# Altium PCB spd150.PcbDoc (part 10 of 15) (continued)
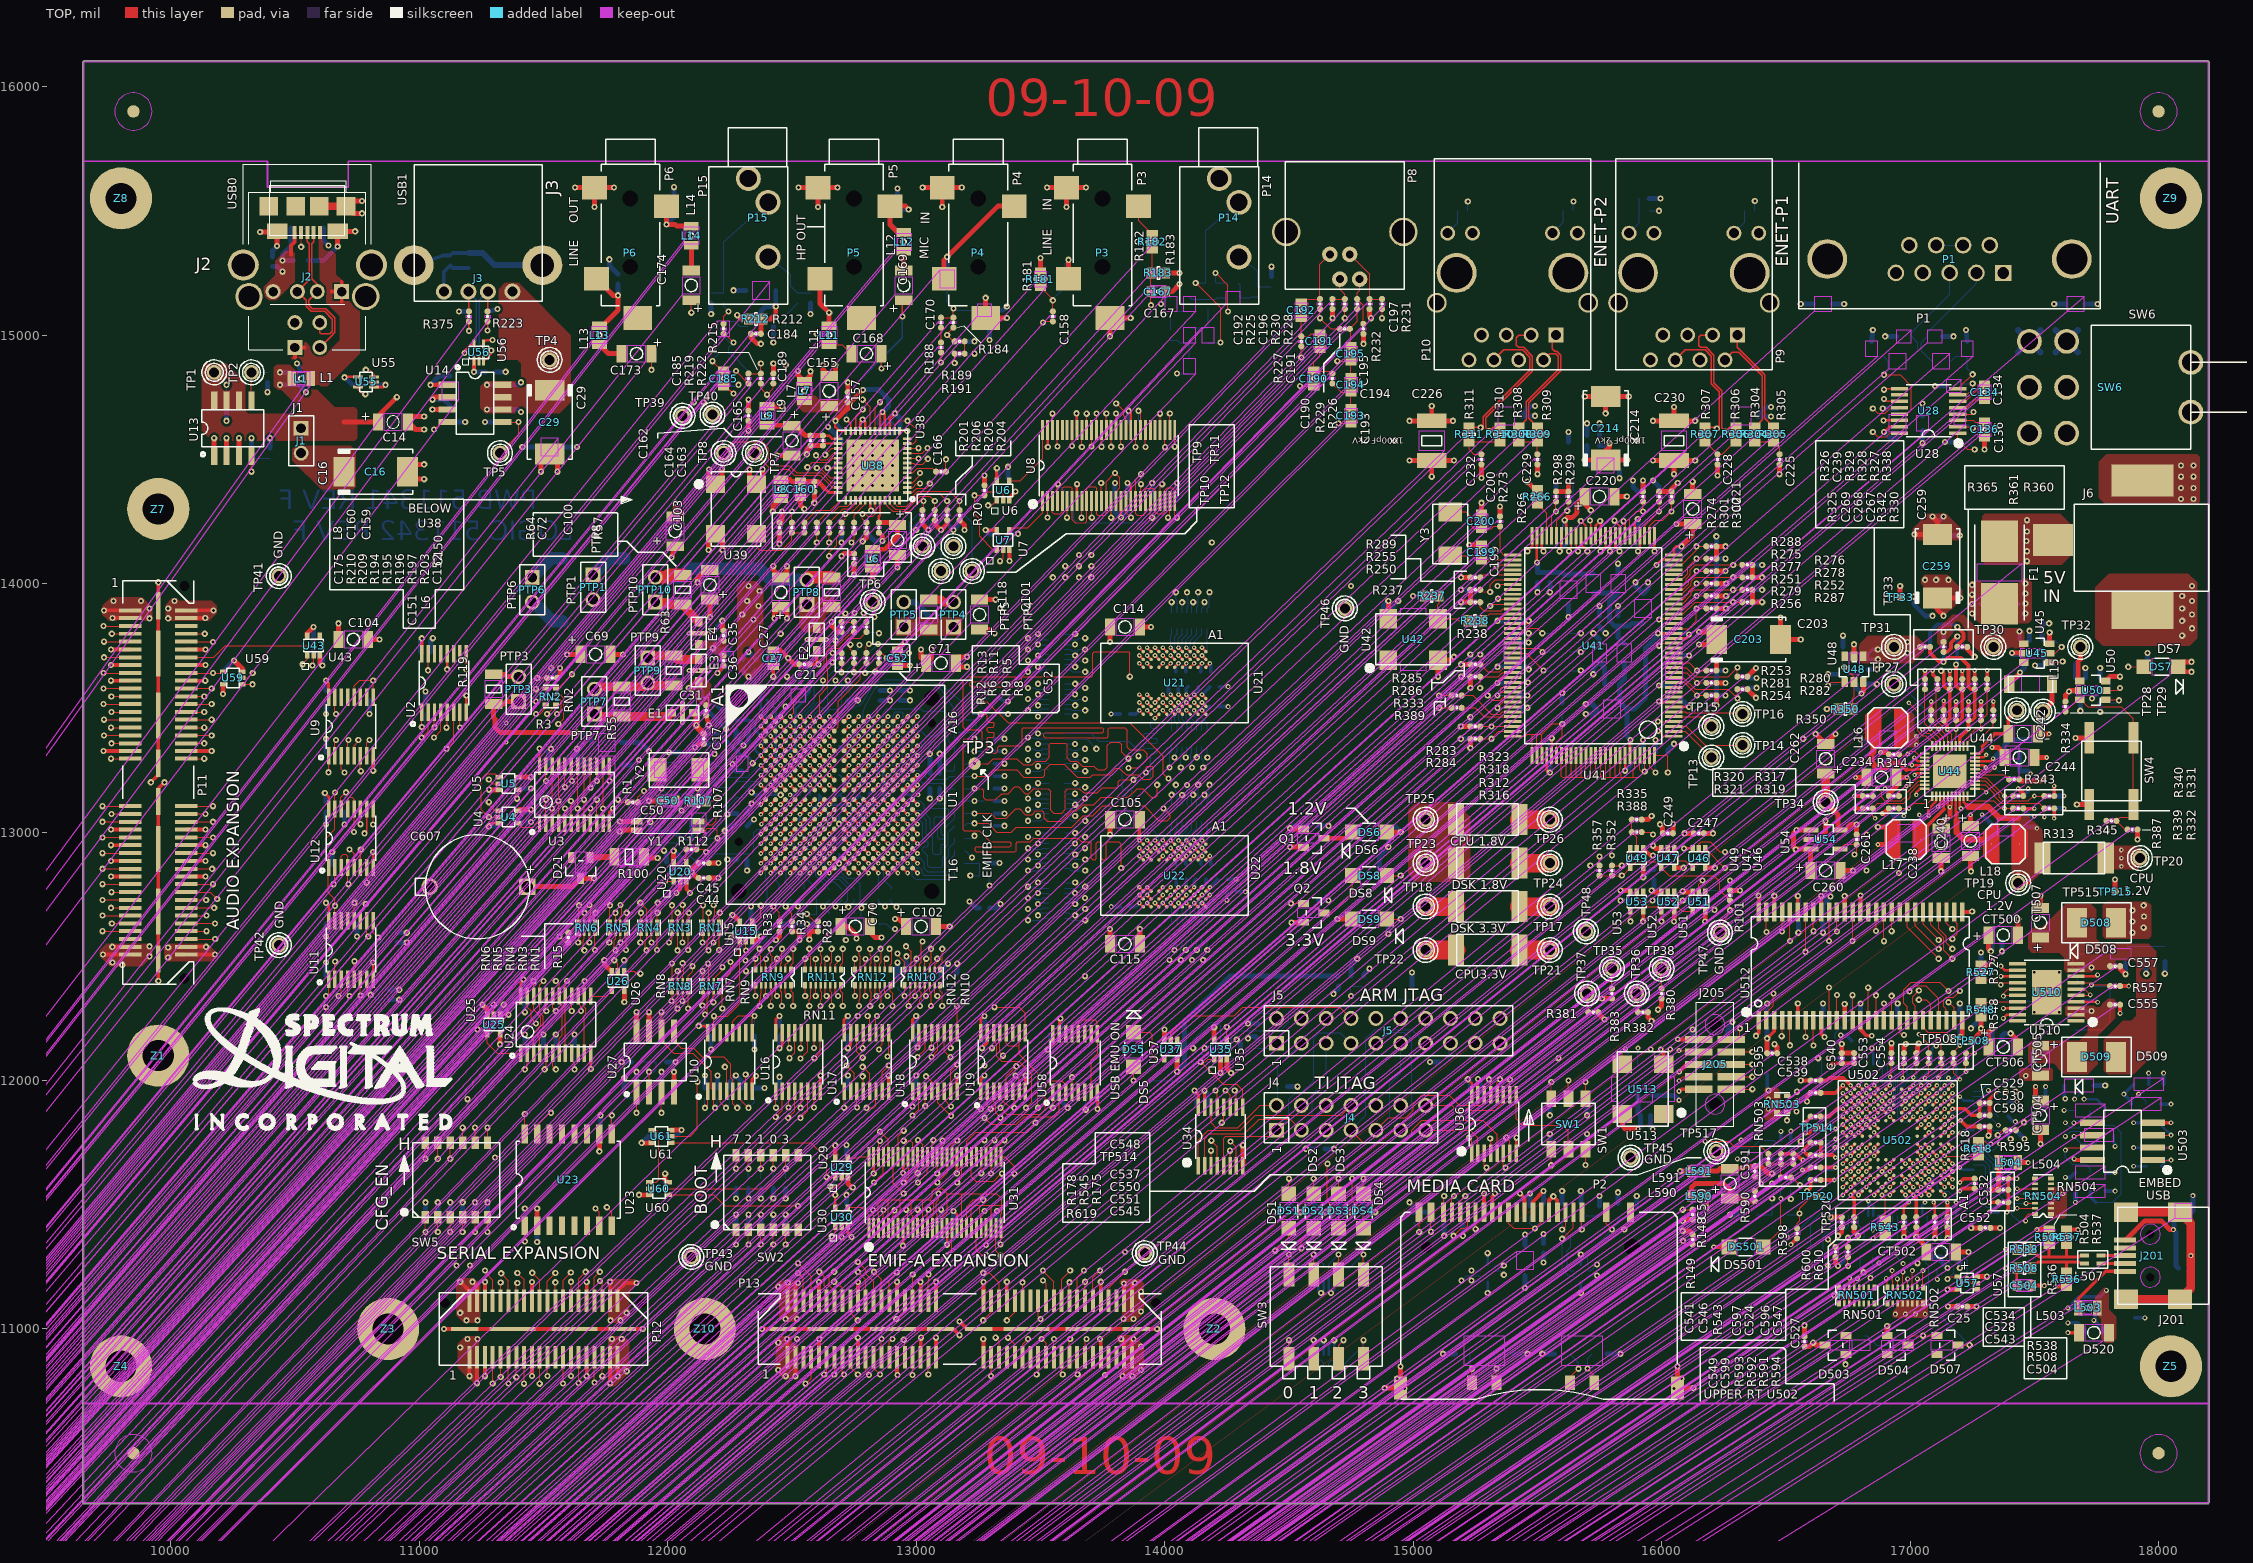
[diagram p0: TOP view]
## Nets (pads, with @x,y where several pads share a name; then routed paths per layer and width w, separated by ;. In a path a pad name is that pad's centre, name@x,y a point inside that pad or via, vN(x,y) a via of type N, cw(c..) or ccw(c..) an arc to the next point about the centre after c; other vN are vias at no path point) (continued)
N17314533: DS5.1 U37.4 | length 218.3
  TOP w5: DS5.1@13875,12194 13940,12194 13950,12184 13950,12100 13964,12086 U37.4@13999.4,12086
N17316930: C50.1 R107.2 | length 65
  TOP w5: C50.1@12030,13125 R107.2@12095,13125
N17328843: C46.2 C47.2 R104.2 R105.1 | length 214.5
  BOTTOM w20: R105.1@11970,13000 11995,13000 12000,13005 R104.2@12025,13005 12055,12975 C46.2@12095,12975 C47.2@12095,13050
N17328878: C48.2 C49.2 R108.2 R109.1 | length 261.2
  BOTTOM w5: C48.2@11970,13280 R109.1@12045,13280 C49.2@12120,13280 12180,13280 12195,13265 R108.2@12225,13265
N17367264: E1.3 PTP7.1 R55.1 | length 321.4
  TOP w35: PTP7.1@11705,13475 11715,13465 R55.1@11815,13465 12001,13465 E1.3@12016,13480
N17367683: E2.3 PTP8.1 R57.1
N17369049: E3.3 PTP9.1 R63.1 | length 215.8
  TOP w35: PTP9.1@11920,13700 11930,13710 R63.1@12025,13710 12041,13694 E3.3@12125,13694
N17369068: E4.3 PTP10.1 R64.1 | length 210.4
  TOP w35: PTP10.1@11950,13925 11995,13925 12005,13915 R64.1@12060,13915 E4.3@12125,13844
N17382218: R152.1 U58.7 U58.9 U58.12 | length 579.4
  TOP w5: U58.12@13652.8,12187.6 13652.8,12232.8 13665,12245 13720,12245 13729.6,12235.4 U58.9@13729.6,12187.6 13730,12187.2 13730,12110 13704,12084 U58.7@13704,11952.4 13704,11904 v1(13682.5,11882.5)
  BOTTOM w5: v1(13682.5,11882.5) 13682.5,11922.5 13690,11930 R152.1@13690,11955
N17406762: R209.1 R210.2 U39.3 | length 296.7
  TOP w5: U39.3@12357.5,14200 12357.5,14147.5 12370,14135 12460,14135 12500,14175 R210.2@12500,14205 R209.1@12550,14205
N17415034: C179.1 R215.2 R220.1 U40.5 | length 258.1
  TOP w5: R215.2@12225,15045 12225,15075 v1(12245,15095)
  BOTTOM w5: R220.1@12225,15130 12225,15115 v1(12245,15095) 12225,15075 C179.1@12225,15055 12270,15055 12290,15035 U40.5@12325,15035
N17426119: RN24.7 SW3.6 | length 151.2
  TOP w5: SW3.6@14700,11220 v1(14700,11300)
  BOTTOM w5: RN24.7@14659.8,11245.5 14659.8,11259.8 v1(14700,11300)
N17426120: RN24.6 SW3.7 | length 151.2
  TOP w5: SW3.7@14600,11220 v1(14600,11300)
  BOTTOM w5: v1(14600,11300) 14640.2,11259.8 RN24.6@14640.2,11245.5
N17426121: RN24.5 SW3.8 | length 220.2
  TOP w5: SW3.8@14500,11220 v1(14500,11300)
  BOTTOM w5: v1(14500,11300) 14554.5,11245.5 RN24.5@14617.6,11245.5
N17426122: RN24.8 SW3.5 | length 220.2
  TOP w5: SW3.5@14800,11220 v1(14800,11300)
  BOTTOM w5: RN24.8@14682.4,11245.5 14745.5,11245.5 v1(14800,11300)
N17431894: TP39.1 U38.27 | length 767.2
  TOP w5: TP39.1@12060,14675 v1(12105,14730) ; v1(12634,14518) 12659.9,14543.9 U38.27@12686,14543.9
  LYR8-SIG w5: v1(12105,14730) 12125,14750 12153.3,14750 12163.3,14740 12290,14740 12465,14565 12587,14565 v1(12634,14518)
N17447305: R53.2 TP2.1 U13.5 U59.2 | length 1466.2
  TOP w5: U59.2@10289,13620 10310,13620 v1(10330,13640) ; U13.5@10325,14735 TP2.1@10325,14850
  LYR4-SIG w5: TP2.1@10325,14850 10325,14655 10360,14620 10360,13670 v1(10330,13640)
  BOTTOM w5: TP2.1@10325,14850 R53.2@10390,14850
N17497469: C199.2 U41.66 Y3.2 | length 258.1
  TOP w5: Y3.2@15150,14112 15258,14112 C199.2@15275,14095 15275.2,14094.8 U41.66@15401,14094.8
N17497722: C200.2 R273.2 U41.65 Y3.1 | length 410.2
  TOP w5: Y3.1@15150,14288 15212,14288 15235,14265 15235,14230 15245,14220 C200.2@15275,14220 15315,14220 15325,14230 R273.2@15350,14230 15350,14130 15365.5,14114.5 U41.65@15401,14114.5
N17505012: R250.2 U41.76 | length 160.4
  TOP w5: R250.2@15270,13925 15270,13905 15285,13890 15355,13890 15362.8,13897.8 U41.76@15401,13897.8
N17532793: R110.2 SW1.1 | length 112.5
  TOP w5: v1(15556,11659) SW1.1@15556,11723
  BOTTOM w5: R110.2@15550,11705 15556,11699 v1(15556,11659)
N17532800: R113.1 SW1.3 | length 110.5
  TOP w5: v1(15694,11660) SW1.3@15694,11723
  BOTTOM w5: v1(15694,11660) 15694,11699 R113.1@15700,11705
N17532804: R114.1 SW1.6 | length 118.5
  TOP w5: SW1.6@15694,11927 v1(15694,11994)
  BOTTOM w5: v1(15694,11994) 15694,11951 R114.1@15700,11945
N17532808: R111.2 SW1.4 | length 118.5
  TOP w5: SW1.4@15556,11927 v1(15556,11994)
  BOTTOM w5: R111.2@15550,11945 15556,11951 v1(15556,11994)
N17550030: R386.2 SW5.6 | length 100
  TOP w5: v1(11275,11390) SW5.6@11275,11450
  BOTTOM w5: v1(11275,11390) R386.2@11275,11430
N17550083: R385.2 SW5.5 | length 100
  TOP w5: v1(11225,11390) SW5.5@11225,11450
  BOTTOM w5: v1(11225,11390) R385.2@11225,11430
N17562803: U7.4 U8.1 | length 210.5
  TOP w5: U7.4@13375.6,14214 13386.6,14225 13450,14225 13509.3,14284.3 U8.1@13509.3,14332
N17565606: U30.4 U31.1 | length 149.1
  TOP w5: U30.4@12725.6,11489 12781,11489 12809.3,11460.7 U31.1@12809.3,11407
N17583058: C174.1 U38.31 | length 971
  TOP w5: v1(12095,15090) C174.1@12095,15140 ; v1(12644,14465.2) U38.31@12686,14465.2
  LYR8-SIG w5: v1(12095,15090) 12370,14815 12393.1,14815 12660,14548.1 12660,14481.2 v1(12644,14465.2)
N17584899: R190.2 R191.2 U38.13 | length 457.9
  TOP w5: U38.13@12933.2,14614 v1(12964,14614) ; v1(13155,14888) R191.2@13155,14925
  LYR3-SIG w5: v1(12964,14614) 13155,14805 v1(13155,14888)
  BOTTOM w5: v1(13155,14888) R190.2@13155,14925
N17692583: U3.1 U4.4 | length 97.4
  TOP w5: U4.4@11399,13034.4 11413.4,13020 11458.3,13020 11473.3,13035 U3.1@11484.2,13035
N17718724: R201.2 R207.1 TP9.1 U38.45 | length 465.2
  TOP w5: U38.45@12874.2,14336 12874.2,14322.5 12883.9,14312.8 12883.9,14311.9 12905.8,14290 12975,14290 13017,14332 v1(13030,14332) 13030,14300 R201.2@13025,14295
  BOTTOM w5: TP9.1@13025,14150 12975,14200 12975,14245 R207.1@13025,14295 13025,14327 v1(13030,14332)
N17719164: R200.2 R206.1 TP10.1 U38.46 | length 601.2
  TOP w5: U38.46@12893.9,14336 12893.9,14321.1 12915,14300 12965,14300 13017,14352 13055,14352 v1(13075,14332) R206.1@13075,14295
  BOTTOM w5: v1(13075,14332) R200.2@13075,14295 13050,14270 13050,14250 13030,14230 13030,14205 13100,14135 TP10.1@13100,14050
N17733232: R44.1 U9.9 U9.12 | length 245.4
  TOP w5: U9.12@10737.8,13542.6 10737.8,13587.8 10760,13610 v1(10815,13610) 10815,13543 U9.9@10814.6,13542.6
  BOTTOM w5: R44.1@10800,13570 10800,13595 v1(10815,13610)
N17811482: R48.1 U11.12 | length 122.5
  TOP w5: U11.12@10737.8,12642.6 10737.8,12712.8 v1(10740,12715)
  BOTTOM w5: v1(10740,12715) 10750,12705 R48.1@10750,12670
N17834487: R241.2 U41.81 | length 185.9
  TOP w5: U41.81@15401,13799.3 15434.3,13799.3 15455,13820 15500,13820 v1(15520,13800)
  BOTTOM w5: v1(15520,13800) R241.2@15570,13800
N17873143: R335.2 R388.2 U49.2 | length 124.3
  TOP w5: R335.2@15880,13050 R388.2@15880,13000 15900,12980 U49.2@15900,12934
N17901026: R333.2 U41.97 | length 240.8
  TOP w5: R333.2@15195,13550 15240,13550 15315,13475 15350,13475 15359,13484 U41.97@15401,13484
N17901100: R389.2 U41.98 | length 220.8
  TOP w5: R389.2@15195,13500 15250,13500 15285.7,13464.3 U41.98@15401,13464.3
N17925688: C189.2 R222.2 U40.2 | length 176.1
  TOP w5: R222.2@12375,14805 12375,14785 v1(12400,14760) 12425,14785 C189.2@12425,14805
  BOTTOM w5: v1(12400,14760) 12425,14785 U40.2@12425,14815
N18075879: TP6.1 U1.F7 | length 828.6
  TOP w10: v2(12611.3,13268.2) U1.F7@12631,13248.5
  LYR4-SIG w4: 12555,13475 12555,13415 12565,13405 12580,13405 12589.5,13395.5 12589.5,13290 v2(12611.3,13268.2)
  LYR4-SIG w5: 12555,13475 12650,13570 12650,13635 12705,13690 12705,13768 12825,13888 TP6.1@12825,13925
N18075961: C56.1 C272.1 L24.1 U1.D1 | length 722.6
  TOP w10: v2(12374.9,13347) U1.D1@12394.6,13327.3
  LYR3-SIG w10: 12280,13375 12330,13375 12358,13347 v2(12374.9,13347)
  LYR3-SIG w20: v1(11925,13325) 11965,13285 12100,13285 12165,13350 12255,13350 12280,13375
  BOTTOM w10: C272.1@12394,13328 v2(12374.9,13347) C56.1@12394,13367.4
  BOTTOM w20: L24.1@11815,13360 11890,13360 v1(11925,13325)
N18076044: C56.2 C272.2 L25.1 U1.E1 | length 696.8
  TOP w10: v2(12374.9,13307.6) U1.E1@12394.6,13287.9
  LYR3-SIG w15: 12225,13290 12242.6,13307.6 v2(12374.9,13307.6)
  LYR3-SIG w20: v1(11885,13290) 11915,13260 12195,13260 12225,13290
  BOTTOM w10: C56.2@12354,13367.4 C272.2@12354,13328 v2(12374.9,13307.6)
  BOTTOM w20: L25.1@11815,13270 11865,13270 v1(11885,13290)
N18088544: R124.2 SW2.8 U60.2 | length 677.1
  TOP w5: U60.2@11926,11565 12395,11565 v1(12475,11645) SW2.8@12475,11700
  BOTTOM w5: R124.2@12475,11605 v1(12475,11645)
N18088684: R126.1 SW2.5 | length 100
  TOP w5: v1(12475,11340) SW2.5@12475,11400
  BOTTOM w5: v1(12475,11340) R126.1@12475,11380
N18093495: U60.1 U61.4 | length 265.9
  TOP w5: U60.1@11926,11590.6 11955,11590.6 11965,11600.6 11965,11790 11954.4,11800.6 U61.4@11936,11800.6
N18100807: R347.2 R348.2 U45.5 | length 139.1
  TOP w5: U45.5@17562,13720 17585,13720 v1(17610,13745)
  BOTTOM w5: R348.2@17580,13720 17585,13720 v1(17610,13745) 17585,13770 R347.2@17580,13770
N18100837: C248.1 U45.4 | length 94
  TOP w5: U45.4@17562,13682.6 17610.6,13682.6 v1(17614,13686)
  BOTTOM w5: C248.1@17580,13670 17598,13670 v1(17614,13686)
N18105968: R350.2 R351.2 U48.5 | length 230.4
  TOP w5: v1(16735,13663) 16774.6,13623.4 U48.5@16774.6,13603.6 16774.6,13544.6 16770,13540 R350.2@16770,13495
  BOTTOM w5: R351.2@16730,13705 16730,13668 v1(16735,13663)
N18105990: C252.1 U48.4 | length 114.9
  TOP w5: v1(16670,13590) 16683.6,13603.6 U48.4@16737.2,13603.6
  BOTTOM w5: v1(16670,13590) 16675,13595 C252.1@16710,13595
N18106307: R355.2 R356.2 U50.5 | length 156.3
  TOP w5: U50.5@17787,13570 17835,13570 v1(17845,13580)
  BOTTOM w5: R355.2@17805,13620 R356.2@17805,13570 17835,13570 v1(17845,13580)
N18106329: C254.1 U50.4 | length 95.2
  TOP w5: U50.4@17787,13532.6 17838.4,13532.6 v1(17841,13530)
  BOTTOM w5: C254.1@17805,13520 17831,13520 v1(17841,13530)
N18111689: C187.1 P15.5 R220.2 | length 494.4
  BOTTOM w5: C187.1@12175,15170 R220.2@12225,15170 12225,15375 P15.5@12404,15534
N18111717: C176.2 C177.1 R213.1 | length 144.1
  BOTTOM w5: R213.1@14025,14980 14050,14980 14060,14970 C177.1@14100,14970 C176.2@14100,14905
N18111721: C180.2 C181.1 R213.2 | length 150
  BOTTOM w5: R213.2@14025,15020 C180.2@14025,15095 C181.1@14100,15095
N18111741: C181.2 C182.1 R214.2 | length 151.2
  BOTTOM w5: C181.2@14100,15155 14110,15145 R214.2@14175,15145 14205,15145 14210,15150 C182.1@14245,15150
N18111745: C177.2 C178.1 R214.1 | length 150
  BOTTOM w5: C177.2@14100,15030 C178.1@14175,15030 R214.1@14175,15105
N18111807: C182.2 R216.1 R217.2 | length 136.2
  BOTTOM w5: R217.2@14295,15210 14305,15200 C182.2@14305,15150 14345,15150 14350,15155 R216.1@14375,15155
N18122681: DS9.2 R374.2 | length 114.3
  TOP w5: DS9.2@14894,12650 v1(14950,12650)
  BOTTOM w5: R374.2@14900,12670 14930,12670 v1(14950,12650)
N18122715: Q1.1 R369.2 | length 133
  TOP w20: v1(14505,13015) 14507,13013 Q1.1@14558,13013
  BOTTOM w20: v1(14505,13015) 14515,13025 R369.2@14580,13025
N18122719: DS6.2 R367.1 | length 114.3
  TOP w20: DS6.2@14894,13000 v1(14950,13000)
  BOTTOM w20: R367.1@14900,13020 14930,13020 v1(14950,13000)
N18122793: Q2.1 R371.2 | length 127
  TOP w5: v1(14508,12713) Q2.1@14558,12713
  BOTTOM w5: v1(14508,12713) 14568,12713 R371.2@14580,12725
N18122797: DS8.2 R370.1 | length 114.3
  TOP w5: DS8.2@14894,12825 v1(14950,12825)
  BOTTOM w5: R370.1@14900,12845 14930,12845 v1(14950,12825)
N18122896: L14.2 P6.3 R193.1 | length 248.8
  TOP w20: P6.3@11995,15518.5 v1(11995,15445) 12030,15445 12037,15438 L14.2@12095,15438
  BOTTOM w20: v1(11995,15445) 12025,15475 R193.1@12025,15505
N18142725: RN8.1 U1.N5 | length 868.1
  TOP w5: RN8.1@12082.4,12400.5 12082.4,12422.4 12100,12440 v1(12100,12460)
  TOP w10: v2(12532.5,12953) U1.N5@12552.2,12972.7
  LYR3-SIG w4: 12489,12815 12500,12815 12509,12824 12509,12929.5 v2(12532.5,12953)
  LYR3-SIG w5: v1(12100,12460) 12100,12480 12110,12490 12110,12570 12155,12615 12237,12615 12248,12626 12328,12626 12395,12693 12395,12721 12489,12815
N18142726: RN8.2 U1.P5 | length 899.6
  TOP w5: RN8.2@12059.8,12400.5 12059.8,12424.8 12065,12430 12065,12466.3 12060.4,12470.9 v1(12060.4,12471.9)
  TOP w10: v2(12532.5,12913.6) U1.P5@12552.2,12933.3
  LYR8-SIG w4: 12505,12815 12515,12825 12515,12896.1 v2(12532.5,12913.6)
  LYR8-SIG w5: v1(12060.4,12471.9) 12073.6,12471.9 12081.7,12480 12110,12480 12120,12490 12215.9,12490 12240,12514.1 12240,12555 12230,12565 12230,12590 12305,12665 12425,12665 12450,12690 12450,12760 12505,12815
N18142727: RN8.3 U1.R4 | length 833.3
  TOP w5: RN8.3@12040.2,12400.5 v1(12040.2,12440.8)
  TOP w10: v2(12493.1,12874.2) U1.R4@12512.8,12893.9
  LYR8-SIG w4: 12460,12815 12475,12830 12475,12856.1 v2(12493.1,12874.2)
  LYR8-SIG w5: v1(12040.2,12440.8) 12040.2,12439.8 12040,12440 12040,12485 12047,12492 12101,12492 12109,12500 12210.7,12500 12228,12517.3 12228,12550 12220,12558 12220,12595 12305,12680 12380.3,12680 12395,12694.7 12395,12750 12460,12815
N18142728: RN8.4 U1.T6 | length 961.4
  TOP w5: RN8.4@12017.6,12400.5 v1(12017.6,12471)
  TOP w10: v2(12571.9,12834.8) U1.T6@12591.6,12854.5
  LYR8-SIG w4: 12560,12815 12571.9,12826.9 v2(12571.9,12834.8)
  LYR8-SIG w5: v1(12017.6,12471) 12017.6,12435.1 12032.7,12420 12235,12420 12273,12458 12273,12537.7 12365.3,12630 12449.2,12630 12505,12685.8 12505,12760 12560,12815
N18190322: U24.1 U25.4 | length 187
  TOP w5: U25.4@11274.4,12186 11274.4,12150.6 11315,12110 U24.1@11409.2,12110
N18196957: C16.1 J1.2
N18205235: R394.2 U1.H4 | length 414.7
  TOP w10: v2(12493.1,13189.4) U1.H4@12512.8,13169.7
  LYR8-SIG w4: 12475,13485 12475,13298 12485,13288 12499,13288 12513,13274 12513,13209.3 v2(12493.1,13189.4)
  LYR8-SIG w5: 12475,13485 v1(12475,13505)
  BOTTOM w5: R394.2@12445,13530 v1(12475,13505)
N18206584: R395.2 U1.F3 | length 311.9
  TOP w10: v2(12453.7,13268.2) U1.F3@12473.4,13248.5
  BOTTOM w10: R395.2@12400,13530 12434,13496 12434,13287.9 v2(12453.7,13268.2)
N18208607: R209.2 U38.37 | length 204.5
  TOP w5: R209.2@12550,14245 12600,14295 12655,14295 12696,14336 U38.37@12716.8,14336
N18255289: R352.2 R354.2 R357.2 R358.2 U47.2 U49.4 | length 421.3
  TOP w5: R357.2@15750,12825 R352.2@15800,12825 v1(15840,12825) 15843.4,12825 U49.4@15874.4,12856 15898.4,12880 15990,12880 16025,12915 U47.2@16025,12934
  BOTTOM w5: R358.2@15750,12825 R354.2@15800,12825 v1(15840,12825)
N18269179: U46.4 U47.1 | length 126
  TOP w5: U47.1@16050.6,12934 16050.6,12900 16065.6,12885 16095.4,12885 U46.4@16124.4,12856
N18478171: C275.1 R396.2 | length 45
  BOTTOM w5: R396.2@11950,12840 C275.1@11995,12840
N18495556: R45.1 U10.9 U10.12 | length 252.7
  TOP w5: U10.12@12262.8,12192.6 12262.8,12237.8 12285,12260 12349.6,12260 v1(12350,12259.6) 12339.6,12249.2 U10.9@12339.6,12192.6
  BOTTOM w5: R45.1@12350,12220 v1(12350,12259.6)
N18809233: R82.1 U1.M13 | length 488.2
  TOP w10: U1.M13@12867.4,13012.1 v2(12887.1,12992.4)
  BOTTOM w4: v2(12887.1,12992.4) 12906,12973.5 12906,12907 12919,12894 12933,12894 12947,12880 12947,12866 12957,12856 12974,12856 12984,12846 12984,12824 12993,12815
  BOTTOM w5: 12993,12815 12998,12810 13141,12810 13155,12824 R82.1@13155,12875
N18847671: RN12.9 U1.M16 | length 871
  TOP w5: v1(12893,12530) 12901.6,12521.4 12901.6,12471.4 12896.6,12466.4 RN12.9@12896.6,12447
  TOP w10: U1.M16@12985.6,13012.1 v2(13005.3,12992.4)
  LYR8-SIG w4: v2(13005.3,12992.4) 13025,12972.7
  LYR8-SIG w5: v1(12893,12530) 12901,12522 12901,12464 12911,12454 12999,12454 13021,12476 13021,12519 13005,12535 13005,12782.6 13040,12817.6 13040,12957.7 13025,12972.7
N18847673: RN12.10 U1.N14 | length 866.3
  TOP w5: RN12.10@12874,12447 12874,12483 v1(12881,12490)
  TOP w10: U1.N14@12906.8,12972.7 v2(12926.5,12953)
  LYR8-SIG w4: 12855,12815 12870,12830 12870,12920 12880,12930 12903.5,12930 v2(12926.5,12953)
  LYR8-SIG w5: 12855,12815 12755,12715 12755,12640 12680,12565 12680,12525 12755,12450 12841,12450 v1(12881,12490)
N18847675: RN12.11 U1.N16 | length 717.8
  TOP w5: RN12.11@12854.4,12447 12854.4,12470 12860,12475.6 12860,12525 12855,12530 v1(12856,12530)
  TOP w10: U1.N16@12985.6,12972.7 v2(13005.3,12953)
  LYR8-SIG w4: v2(13005.3,12953) 13025,12933.3 13025,12822.6
  LYR8-SIG w5: v1(12856,12530) 12876,12550 12915,12550 12945,12520 12975,12520 12990,12535 12990,12787.6 13025,12822.6
N18847677: RN12.12 U1.P14 | length 679.9
  TOP w5: RN12.12@12834.8,12447 12834.8,12452.4 12835,12452.6 12835,12485 v1(12840,12490)
  TOP w10: U1.P14@12906.8,12933.3 v2(12926.5,12913.6)
  LYR8-SIG w4: 12895,12815 12905,12825 12905,12892.1 v2(12926.5,12913.6)
  LYR8-SIG w5: v1(12840,12490) 12815,12465 12790,12465 12775,12480 12775,12496.7 12740,12531.7 12740,12600 12800,12660 12800,12720 12895,12815
N18847679: RN12.13 U1.P16 | length 591.8
  TOP w5: RN12.13@12815.2,12447 12815.2,12470 12820,12474.8 12820,12500 12815.2,12504.8 v1(12815.2,12529.8)
  TOP w10: U1.P16@12985.6,12933.3 v2(13005.3,12913.6)
  LYR8-SIG w4: 12952.5,12815 12952.5,12826.2 12950.4,12828.3 12950.4,12880.7 12964.7,12895 12986.7,12895 v2(13005.3,12913.6)
  LYR8-SIG w5: v1(12815.2,12529.8) 12815.2,12580.2 12895,12660 12895,12750 12952.5,12807.5 12952.5,12815
N18847681: RN12.14 U1.R14 | length 526.8
  TOP w5: RN12.14@12795.6,12447 v1(12795.6,12489.4)
  TOP w10: U1.R14@12906.8,12893.9 v2(12926.5,12874.2)
  LYR8-SIG w4: v2(12926.5,12874.2) 12942,12858.7 12942,12815.5
  LYR8-SIG w5: v1(12795.6,12489.4) 12790,12495 12790,12615 12850,12675 12850,12720 12942,12812 12942,12815.5
N18847683: RN12.15 U1.T14 | length 483
  TOP w5: v1(12770,12530) 12770,12503.3 12775.6,12497.7 12775.6,12447.4 RN12.15@12776,12447
  TOP w10: U1.T14@12906.8,12854.5 v2(12926.5,12834.8)
  LYR8-SIG w4: 12926.5,12815 v2(12926.5,12834.8)
  LYR8-SIG w5: v1(12770,12530) 12780,12540 12780,12620 12840,12680 12840,12728.5 12926.5,12815
N18847685: RN12.16 U1.N12 | length 599.2
  TOP w5: RN12.16@12753.4,12447 v1(12753.4,12490)
  TOP w10: U1.N12@12828,12972.7 v2(12847.7,12953)
  LYR3-SIG w4: v2(12847.7,12953) 12871.6,12929.1 12871.6,12815
  LYR3-SIG w5: v1(12753.4,12490) 12753.4,12518.3 12750,12521.7 12750,12538.3 12763.7,12552 12770,12552 12780,12562 12780,12590 12850,12660 12850,12720 12871.6,12741.6 12871.6,12815
N18849304: RN10.9 U1.M15 | length 678.4
  TOP w5: RN10.9@13096.6,12447 13096.6,12466.4 13105,12474.8 v1(13105,12530)
  TOP w10: U1.M15@12946.2,13012.1 v2(12965.9,12992.4)
  LYR3-SIG w4: v2(12965.9,12992.4) 12967.6,12992.4 12990,12970 13025,12970
  LYR3-SIG w5: 13025,12970 13035,12970 13065,12940 13065,12845 13125.1,12784.9 13125.1,12735.1 13105,12715 v1(13105,12530)
N18849306: RN10.10 U1.N13 | length 665.8
  TOP w5: RN10.10@13074,12447 13074,12465 13085,12476 v1(13085,12490)
  TOP w10: U1.N13@12867.4,12972.7 v2(12887.1,12953)
  LYR3-SIG w4: v2(12887.1,12953) 12887.1,12952.9 12905,12935 12940,12935 12945,12930 12945,12910 12960,12895 12970,12895 12985,12880 12985,12815
  LYR3-SIG w5: 12985,12815 12975,12805 12975,12581.7 13046.7,12510 13065,12510 v1(13085,12490)
N18849308: RN10.11 U1.N15 | length 643.2
  TOP w5: RN10.11@13054.4,12447 13054.4,12470 13061,12476.6 13061,12529 v1(13060,12530)
  TOP w10: U1.N15@12946.2,12972.7 v2(12965.9,12953)
  LYR3-SIG w4: v2(12965.9,12953) 12967,12953 12985,12935 13025,12935
  LYR3-SIG w5: 13025,12935 13035,12935 13045,12925 13045,12825 13000,12780 13000,12640 13060,12580 v1(13060,12530)
N18849310: RN10.12 U1.P13 | length 576
  TOP w5: RN10.12@13034.8,12447 13034.8,12452.4 13035,12452.6 13035,12485 13040,12490 v1(13041,12490)
  TOP w10: U1.P13@12867.4,12933.3 v2(12887.1,12913.6)
  LYR3-SIG w4: v2(12887.1,12913.6) 12887.1,12912.9 12905,12895 12930,12895 12945,12880 12945,12830 12960,12815
  LYR3-SIG w5: 12960,12815 12960,12582.5 13041,12501.5 v1(13041,12490)
N18849312: RN10.13 U1.P15 | length 576.9
  TOP w5: RN10.13@13015.2,12447 13015.2,12470 13021,12475.8 13021,12556 v1(13025,12560)
  TOP w10: U1.P15@12946.2,12933.3 v2(12965.9,12913.6)
  LYR3-SIG w4: v2(12965.9,12913.6) 12966.4,12913.6 12985,12895 13020,12895 13025,12890
  LYR3-SIG w5: v1(13025,12560) 13025,12590 12990,12625 12990,12790 13030,12830 13030,12885 13025,12890
N18849314: RN10.14 U1.R13 | length 505.1
  TOP w5: RN10.14@12995.6,12447 12995.6,12485.6 13000,12490 v1(13001,12490)
  TOP w10: U1.R13@12867.4,12893.9 v2(12887.1,12874.2)
  LYR3-SIG w4: v2(12887.1,12874.2) 12910,12851.3 12910,12829 12924,12815
  LYR3-SIG w5: 12924,12815 12945,12794 12945,12583 13001,12527 v1(13001,12490)
N18849316: RN10.15 U1.R15 | length 484.9
  TOP w5: v1(12959,12540) 12981,12518 12981,12452 RN10.15@12976,12447
  TOP w10: U1.R15@12946.2,12893.9 v2(12965.9,12874.2)
  LYR8-SIG w4: v2(12965.9,12874.2) 12965.9,12874.1 12985,12855 12985,12815
  LYR8-SIG w5: v1(12959,12540) 12959,12784 12985,12810 12985,12815
N18849318: RN10.16 U1.T13 | length 443.1
  TOP w5: v1(12925,12511) 12925,12505 12953.4,12476.6 RN10.16@12953.4,12447
  TOP w10: U1.T13@12867.4,12854.5 v2(12887.1,12834.8)
  LYR3-SIG w4: 12887.1,12815 v2(12887.1,12834.8)
  LYR3-SIG w5: 12887.1,12815 12887.1,12720 12895,12712.1 12895,12556.3 12925,12526.3 v1(12925,12511)
N18895421: P3.2 R180.1 | length 129.9
  TOP w20: P3.2@13613,15226.5 v1(13613,15303)
  BOTTOM w5: R180.1@13600,15255 13600,15290 v1(13613,15303)
N18908881: R292.1 U41.102 U41.103 U41.104 U41.105 U41.108 | length 656.8
  TOP w5: U41.102@15401,13385.5 15451.5,13385.5 15459.1,13393.1 15478,13393.1 ; U41.103@15478.7,13308 15478.7,13392.4 15478,13393.1 ; U41.104@15498.4,13308 15498.4,13392.5 15499,13393.1 ; U41.105@15518.1,13308 15518.1,13393.1 ; U41.108@15577.2,13308 15577.2,13362.2 15600,13385 v1(15600,13435) 15560,13435 15518.1,13393.1 ; 15478,13393.1 15499,13393.1 ; 15499,13393.1 15518.1,13393.1
  BOTTOM w5: v1(15600,13435) R292.1@15600,13480
N18910209: R293.1 U41.109 U41.110 U41.111 U41.112 U41.113 U41.114 U41.115 U41.116 U41.117 U41.118 U41.119 U41.120 U41.121 U41.124 U41.125 U41.126 | length 1767.8
  TOP w5: U41.109@15596.9,13308 15596.9,13225 15601.9,13220 15617,13220 ; U41.110@15616.6,13308 15616.6,13220.4 15617,13220 ; U41.111@15636.3,13308 15636.3,13220.3 15636,13220 ; U41.112@15656,13308 15656,13220 ; U41.113@15675.7,13308 15675.7,13221.7 15674,13220 ; U41.114@15695.4,13308 15695.4,13220.6 15696,13220 ; U41.115@15715.1,13308 15715.1,13220.9 15716,13220 ; U41.116@15734.9,13308 15734.9,13220.1 15735,13220 ; U41.117@15754.6,13308 15754.6,13220.6 15754,13220 ; U41.118@15774.3,13308 15774.3,13221.3 15773,13220 ; U41.119@15794,13308 15794,13221 15793,13220 ; U41.120@15813.7,13308 15813.7,13220.7 15813,13220 ; U41.121@15833.4,13308 15833.4,13256.4 15832,13255 15832,13235 15837,13230 15837,13220 ; U41.124@15892.5,13308 15892.5,13255.5 15885,13248 15885,13220 ; U41.125@15912.2,13308 15912.2,13250 15919.1,13243.1 v1(15931.9,13243.1) ; U41.126@15931.9,13308 v1(15931.9,13243.1) ; 15617,13220 15636,13220 ; 15636,13220 15656,13220 ; 15656,13220 15674,13220 ; 15674,13220 15696,13220 ; 15696,13220 15716,13220 ; 15716,13220 15735,13220 ; 15735,13220 15754,13220 ; 15754,13220 15773,13220 ; 15773,13220 15793,13220 ; 15793,13220 15813,13220 ; 15813,13220 15837,13220 ; 15837,13220 15885,13220 ; 15885,13220 15908.8,13220 v1(15931.9,13243.1)
  BOTTOM w5: R293.1@15925,13280 15925,13250 v1(15931.9,13243.1)
N18912394: R303.1 U41.128 | length 158.8
  TOP w5: U41.128@15971.3,13308 16020,13308 16025,13303 v1(16025,13240)
  BOTTOM w5: v1(16025,13240) R303.1@16025,13280
N18912398: R302.1 U41.127 | length 117.7
  TOP w5: U41.127@15951.6,13308 15951.6,13263.4 v1(15975,13240)
  BOTTOM w5: v1(15975,13240) R302.1@15975,13280
N18913440: R295.2 R299.1 U41.59 | length 414.6
  TOP w5: U41.59@15577.2,14192 15577.2,14252.2 15618,14293 v1(15620,14293) 15625,14298 R299.1@15625,14330
  BOTTOM w5: v1(15620,14293) 15645,14318 15645,14455 15625,14475 R295.2@15625,14530
N18913444: R294.2 R298.1 U41.60 | length 185.2
  TOP w5: U41.60@15557.5,14192 15557.5,14272.5 v1(15575,14290) R298.1@15575,14330
  BOTTOM w5: v1(15575,14290) R294.2@15575,14330
N18918089: R291.1 U41.92 U41.93 | length 172.7
  TOP w5: v1(15340,13550) 15352.8,13562.8 ; U41.93@15401,13562.8 15352.8,13562.8 ; U41.92@15401,13582.5 15356.5,13582.5 15352,13578 15352,13563.6 15352.8,13562.8
  BOTTOM w5: v1(15340,13550) R291.1@15380,13550
N18920477: R289.2 U41.68 U41.69 | length 205.8
  TOP w5: R289.2@15270,14025 15280.7,14035.7 15346,14035.7 ; U41.69@15401,14035.7 15346,14035.7 ; U41.68@15401,14055.4 15353.4,14055.4 15346,14048 15346,14035.7
N18923793: R267.2 R283.1 U41.100 | length 176.1
  TOP w5: R283.1@15270,13425 15270.1,13424.9 v1(15315,13424.9) U41.100@15401,13424.9
  BOTTOM w5: R267.2@15270,13425 15314.9,13425 v1(15315,13424.9)
N18923795: R268.2 R284.1 U41.101 | length 188.5
  TOP w5: R284.1@15270,13375 v1(15315,13375) 15345.2,13405.2 U41.101@15401,13405.2
  BOTTOM w5: R268.2@15270,13375 v1(15315,13375)
N18925872: R269.2 R285.1 U41.88 | length 230.2
  TOP w5: v1(15270,13715) R285.1@15270,13675 15300,13645 15348.3,13645 15364.6,13661.3 U41.88@15401,13661.3
  BOTTOM w5: R269.2@15270,13675 v1(15270,13715)
N18925946: R270.2 R286.1 U41.89 | length 227.9
  TOP w5: v1(15270,13580) R286.1@15270,13625 15342.5,13625 15359.1,13641.6 U41.89@15401,13641.6
  BOTTOM w5: v1(15270,13580) R270.2@15270,13625
N18927809: R271.2 R287.1 U41.26 | length 332.4
  TOP w5: U41.26@16049,13878.1 16088.1,13878.1 16135,13925 v1(16288,13925) R287.1@16325,13925
  BOTTOM w5: v1(16288,13925) R271.2@16325,13925
N18927948: R272.2 R288.1 U41.36 | length 210.8
  TOP w5: U41.36@16049,14075.1 16080.1,14075.1 16140,14135 v1(16140,14150) R288.1@16180,14150
  BOTTOM w5: v1(16140,14150) R272.2@16180,14150
N18933124: R266.2 U41.61 | length 143.7
  TOP w5: R266.2@15500,14320 15537.8,14282.2 U41.61@15537.8,14192
N18937244: R257.2 R274.1 U41.44 | length 214.3
  TOP w5: U41.44@15872.8,14192 15872.8,14262.8 15900,14290 v1(15925,14290) R274.1@15925,14330
  BOTTOM w5: v1(15925,14290) R257.2@15925,14330
N18940982: R296.2 R300.1 U41.40 | length 232.2
  TOP w5: U41.40@15951.6,14192 15951.6,14231.6 15975,14255 16005,14255 v1(16040,14290) R300.1@16040,14330
  BOTTOM w5: v1(16040,14290) R296.2@16040,14330
N18941608: R297.2 R301.1 U41.41 | length 202.1
  TOP w5: U41.41@15931.9,14192 15931.9,14231.9 v1(15990,14290) R301.1@15990,14330
  BOTTOM w5: v1(15990,14290) R297.2@15990,14330
N18954320: R39.2 U1.P4 | length 195
  TOP w10: v2(12493.1,12913.6) U1.P4@12512.8,12933.3
  BOTTOM w4: v2(12493.1,12913.6) 12515,12891.7 12515,12825
  BOTTOM w5: 12515,12825 12550,12790 R39.2@12550,12770
N18975929: R248.2 R255.1 U41.70 | length 216.2
  TOP w5: R255.1@15270,13975 15279,13966 v1(15310,13966) 15310,13995 15331,14016 U41.70@15401,14016
  BOTTOM w5: R248.2@15270,13975 15279,13966 v1(15310,13966)
N18975931: R249.2 R256.1 U41.23 | length 233.8
  TOP w5: U41.23@16049,13819 16109,13819 16140,13850 v1(16140,13900) R256.1@16180,13900
  BOTTOM w5: v1(16140,13900) R249.2@16180,13900
N18989316: C228.1 R306.1 R307.1 | length 166.4
  TOP w5: R307.1@16175,14570 C228.1@16225,14520 16245,14520 16295,14570 R306.1@16300,14570
N18989337: C225.1 R304.2 R305.2 | length 135.4
  TOP w5: R304.2@16375,14570 R305.2@16450,14570 16475,14545 C225.1@16475,14520
N18990172: C232.1 R310.1 R311.1 | length 213.3
  TOP w5: C232.1@15275,14520 15245,14520 15225,14540 R311.1@15225,14570 R310.1@15350,14570
N18990191: C229.1 R308.2 R309.2 | length 125
  TOP w5: R308.2@15425,14570 R309.2@15500,14570 C229.1@15500,14520
N19012580: L10.1 P4.2 P4.3 | length 499.8
  TOP w20: P4.2@13113,15226.5 13113,15303 v1(13125,15315) 13328.5,15518.5 P4.3@13395,15518.5
  BOTTOM w20: L10.1@13125,15263 v1(13125,15315)
N19013700: P3.3 R182.1 | length 136.3
  TOP w5: P3.3@13895,15518.5 13895,15460 R182.1@13950,15405
N19013812: R240.2 U41.4 | length 2502.6
  TOP w5: v1(15985.4,13444.6) U41.4@16049,13444.6
  LYR8-SIG w5: v1(15645,15537) 15597,15537 15505,15445 15505,15165 15842.5,14827.5 15842.5,14462.5 15860,14445 15860,14395 15884,14371 15884,14231 15925,14190 15925,13890 16015,13800 16015,13474.2 v1(15985.4,13444.6)
  BOTTOM w5: R240.2@15645,15500 v1(15645,15537)
N19013827: TP15.1 U41.5 | length 167.3
  TOP w5: U41.5@16049,13464.3 16160.7,13464.3 TP15.1@16200,13425
N19013829: R239.2 U41.20 | length 2206
  TOP w5: v1(15990,13750) 15999.9,13759.9 U41.20@16049,13759.9
  LYR8-SIG w5: v1(15220,15537) 15315,15442 15315,15330 15810,14835 15810,14325 15874,14261 15874,13901 15965,13810 15965,13775 v1(15990,13750)
  BOTTOM w5: R239.2@15220,15500 v1(15220,15537)
N19013843: R235.2 U41.1 | length 2530.3
  TOP w5: v1(15985,13407) 16006.5,13385.5 U41.1@16049,13385.5
  LYR8-SIG w5: v1(15985,13407) 16035,13457 16035,14235 16010,14260 16010,14500 15915,14595 15915,15030 16110,15225 16110,15315 16335,15540 v1(16375,15540)
  BOTTOM w5: R235.2@16375,15500 v1(16375,15540)

## Text inside footprints (layer, text, board x,y; h text height)
JP509: PIN_NUMBER "2" at 17994,11730 h40 r180; PIN_NUMBER "1" at 17934,11730 h40 r180; SYMB_DIM "PAD 35X45OV" at 18165,11655 h40 r180; SYMB_DIM "SM  43X53OV" at 18165,11715 h40 r180; SYMB_DIM "SP  35X45OV" at 18165,11785 h40 r180; SYMB_DIM "R603-35X45" at 17770,11540 h40 r180; SYMB_DIM "0" at 17960,11870 h40 r180; SYMB_DIM "0" at 17835,11750 h40 r180; ASSEMBLY_BOTTOM "JUMPER 2" at 17955,11745 h40 r180; ASSEMBLY_BOTTOM "X" at 17985,11745 h40 r180; ASSEMBLY_BOTTOM "X" at 18020,11745 h40 r180
JP510: PIN_NUMBER "2" at 17994,11830 h40 r180; PIN_NUMBER "1" at 17934,11830 h40 r180; SYMB_DIM "PAD 35X45OV" at 18165,11755 h40 r180; SYMB_DIM "SM  43X53OV" at 18165,11815 h40 r180; SYMB_DIM "SP  35X45OV" at 18165,11885 h40 r180; SYMB_DIM "R603-35X45" at 17770,11640 h40 r180; SYMB_DIM "0" at 17960,11970 h40 r180; SYMB_DIM "0" at 17835,11850 h40 r180; ASSEMBLY_BOTTOM "JUMPER 2" at 17955,11845 h40 r180; ASSEMBLY_BOTTOM "X" at 17985,11845 h40 r180; ASSEMBLY_BOTTOM "X" at 18020,11845 h40 r180
L1: PIN_NUMBER "2" at 10471,14825 h40 r180; PIN_NUMBER "1" at 10547,14825 h40 r180; ASSEMBLY_TOP "X" at 10480,14850 h40 r180; ASSEMBLY_TOP "X" at 10515,14850 h40 r180; ASSEMBLY_TOP "BLM21PG221SN1" at 10550,14850 h40 r180; SYMB_DIM "0" at 10720,14845 h40 r180; SYMB_DIM "0" at 10545,14990 h40 r180; SYMB_DIM "L805-35X60" at 10725,14605 h40 r180; SYMB_DIM "PAD 35X60OV" at 10725,15090 h40 r180
L2: PIN_NUMBER "1" at 16596,15125 h40 r180; PIN_NUMBER "2" at 16672,15125 h40 r180; SYMB_DIM "0" at 16455,15145 h40 r180; SYMB_DIM "0" at 16630,15290 h40 r180; SYMB_DIM "L805-35X60" at 16450,14905 h40 r180; SYMB_DIM "PAD 35X60OV" at 16450,15390 h40 r180; ASSEMBLY_BOTTOM "X" at 16695,15150 h40 r180; ASSEMBLY_BOTTOM "X" at 16660,15150 h40 r180; ASSEMBLY_BOTTOM "BLM21PG221SN1D" at 16625,15150 h40 r180
L3: PIN_NUMBER "1" at 16896,14895 h40 r180; PIN_NUMBER "2" at 16972,14895 h40 r180; SYMB_DIM "0" at 16755,14915 h40 r180; SYMB_DIM "0" at 16930,15060 h40 r180; SYMB_DIM "L805-35X60" at 16750,14675 h40 r180; SYMB_DIM "PAD 35X60OV" at 16750,15160 h40 r180; ASSEMBLY_BOTTOM "X" at 16995,14920 h40 r180; ASSEMBLY_BOTTOM "X" at 16960,14920 h40 r180; ASSEMBLY_BOTTOM "1uH" at 16925,14920 h40 r180
L4: PIN_NUMBER "1" at 17147,14895 h40; PIN_NUMBER "2" at 17071,14895 h40; SYMB_DIM "0" at 17320,14875 h40; SYMB_DIM "0" at 17145,14730 h40; SYMB_DIM "L805-35X60" at 17325,15115 h40; SYMB_DIM "PAD 35X60OV" at 17325,14630 h40; ASSEMBLY_BOTTOM "X" at 17080,14870 h40; ASSEMBLY_BOTTOM "X" at 17115,14870 h40; ASSEMBLY_BOTTOM "1uH" at 17150,14870 h40
L5: PIN_NUMBER "1" at 17687,15125 h40; PIN_NUMBER "2" at 17611,15125 h40; SYMB_DIM "0" at 17860,15105 h40; SYMB_DIM "0" at 17685,14960 h40; SYMB_DIM "L805-35X60" at 17865,15345 h40; SYMB_DIM "PAD 35X60OV" at 17865,14860 h40; ASSEMBLY_BOTTOM "X" at 17620,15100 h40; ASSEMBLY_BOTTOM "X" at 17655,15100 h40; ASSEMBLY_BOTTOM "BLM21PG221SN1D" at 17690,15100 h40
L6: PIN_NUMBER "2" at 12809,14138 h40 r90; PIN_NUMBER "1" at 12809,14062 h40 r90; ASSEMBLY_TOP "X" at 12850,14145 h40 r90; ASSEMBLY_TOP "X" at 12850,14110 h40 r90; ASSEMBLY_TOP "BLM21PG221SN1D" at 12850,14075 h40 r90; SYMB_DIM "0" at 12845,13905 h40 r90; SYMB_DIM "0" at 12990,14080 h40 r90; SYMB_DIM "L805-35X60" at 12605,13900 h40 r90; SYMB_DIM "PAD 35X60OV" at 13090,13900 h40 r90
L7: PIN_NUMBER "1" at 12534,14737 h40 r90; PIN_NUMBER "2" at 12534,14813 h40 r90; ASSEMBLY_TOP "X" at 12575,14820 h40 r90; ASSEMBLY_TOP "X" at 12575,14785 h40 r90; ASSEMBLY_TOP "BLM21PG221SN1D" at 12575,14750 h40 r90; SYMB_DIM "0" at 12570,14580 h40 r90; SYMB_DIM "0" at 12715,14755 h40 r90; SYMB_DIM "L805-35X60" at 12330,14575 h40 r90; SYMB_DIM "PAD 35X60OV" at 12815,14575 h40 r90
L8: PIN_NUMBER "2" at 12439,14342 h40 r270; PIN_NUMBER "1" at 12439,14418 h40 r270; ASSEMBLY_TOP "X" at 12430,14335 h40 r270; ASSEMBLY_TOP "X" at 12430,14370 h40 r270; ASSEMBLY_TOP "BLM21PG221SN1D" at 12430,14405 h40 r270; SYMB_DIM "0" at 12435,14575 h40 r270; SYMB_DIM "0" at 12290,14400 h40 r270; SYMB_DIM "L805-35X60" at 12675,14580 h40 r270; SYMB_DIM "PAD 35X60OV" at 12190,14580 h40 r270
L9: PIN_NUMBER "1" at 12384,14637 h40 r90; PIN_NUMBER "2" at 12384,14713 h40 r90; ASSEMBLY_TOP "X" at 12425,14720 h40 r90; ASSEMBLY_TOP "X" at 12425,14685 h40 r90; ASSEMBLY_TOP "BLM21PG221SN1D" at 12425,14650 h40 r90; SYMB_DIM "0" at 12420,14480 h40 r90; SYMB_DIM "0" at 12565,14655 h40 r90; SYMB_DIM "L805-35X60" at 12180,14475 h40 r90; SYMB_DIM "PAD 35X60OV" at 12665,14475 h40 r90
L10: PIN_NUMBER "1" at 13109,15263 h40 r90; PIN_NUMBER "2" at 13109,15187 h40 r90; SYMB_DIM "0" at 13145,15420 h40 r90; SYMB_DIM "0" at 13290,15245 h40 r90; SYMB_DIM "L805-35X60" at 12905,15425 h40 r90; SYMB_DIM "PAD 35X60OV" at 13390,15425 h40 r90; ASSEMBLY_BOTTOM "X" at 13150,15180 h40 r90; ASSEMBLY_BOTTOM "X" at 13150,15215 h40 r90; ASSEMBLY_BOTTOM "BLM21PG221SN1D" at 13150,15250 h40 r90
L11: PIN_NUMBER "2" at 12634,15038 h40 r90; PIN_NUMBER "1" at 12634,14962 h40 r90; ASSEMBLY_TOP "X" at 12675,15045 h40 r90; ASSEMBLY_TOP "X" at 12675,15010 h40 r90; ASSEMBLY_TOP "BLM21PG221SN1D" at 12675,14975 h40 r90; SYMB_DIM "0" at 12670,14805 h40 r90; SYMB_DIM "0" at 12815,14980 h40 r90; SYMB_DIM "L805-35X60" at 12430,14800 h40 r90; SYMB_DIM "PAD 35X60OV" at 12915,14800 h40 r90
L12: PIN_NUMBER "2" at 12934,15413 h40 r90; PIN_NUMBER "1" at 12934,15337 h40 r90; ASSEMBLY_TOP "X" at 12975,15420 h40 r90; ASSEMBLY_TOP "X" at 12975,15385 h40 r90; ASSEMBLY_TOP "BLM21PG221SN1D" at 12975,15350 h40 r90; SYMB_DIM "0" at 12970,15180 h40 r90; SYMB_DIM "0" at 13115,15355 h40 r90; SYMB_DIM "L805-35X60" at 12730,15175 h40 r90; SYMB_DIM "PAD 35X60OV" at 13215,15175 h40 r90
L13: PIN_NUMBER "2" at 11709,15038 h40 r90; PIN_NUMBER "1" at 11709,14962 h40 r90; ASSEMBLY_TOP "X" at 11750,15045 h40 r90; ASSEMBLY_TOP "X" at 11750,15010 h40 r90; ASSEMBLY_TOP "BLM21PG221SN1D" at 11750,14975 h40 r90; SYMB_DIM "0" at 11745,14805 h40 r90; SYMB_DIM "0" at 11890,14980 h40 r90; SYMB_DIM "L805-35X60" at 11505,14800 h40 r90; SYMB_DIM "PAD 35X60OV" at 11990,14800 h40 r90
L14: PIN_NUMBER "2" at 12079,15438 h40 r90; PIN_NUMBER "1" at 12079,15362 h40 r90; ASSEMBLY_TOP "X" at 12120,15445 h40 r90; ASSEMBLY_TOP "X" at 12120,15410 h40 r90; ASSEMBLY_TOP "BLM21PG221SN1D" at 12120,15375 h40 r90; SYMB_DIM "0" at 12115,15205 h40 r90; SYMB_DIM "0" at 12260,15380 h40 r90; SYMB_DIM "L805-35X60" at 11875,15200 h40 r90; SYMB_DIM "PAD 35X60OV" at 12360,15200 h40 r90
L15: PIN_NUMBER "2" at 17555,13595 h40; PIN_NUMBER "1" at 17383,13595 h40; ASSEMBLY_TOP "X" at 17525,13580 h40; ASSEMBLY_TOP "X" at 17485,13580 h40; ASSEMBLY_TOP "BLM41P750SPT" at 17450,13580 h40; SYMB_DIM "0" at 17310,13570 h40; SYMB_DIM "0" at 17460,13445 h40; SYMB_DIM "C1206-40X70" at 17409,13800 h40; SYMB_DIM "SP  40X70OV" at 17419,13220 h40; SYMB_DIM "SM  48X78" at 17401,13295 h40; SYMB_DIM "PAD 40X70OV" at 17419,13370 h40
L16: PIN_NUMBER "1" at 16838.5,13420 h35 r90; PIN_NUMBER "2" at 16953.5,13420 h35 r270; ASSEMBLY_TOP "2.2uH" at 16790,13350 h40; ASSEMBLY_TOP "X" at 16835,13350 h40; ASSEMBLY_TOP "X" at 16885,13350 h40
L17: PIN_NUMBER "2" at 17028.5,12970 h35 r270; PIN_NUMBER "1" at 16913.5,12970 h35 r90; ASSEMBLY_TOP "2.2uH" at 16865,12900 h40; ASSEMBLY_TOP "X" at 16910,12900 h40; ASSEMBLY_TOP "X" at 16960,12900 h40
L18: PIN_NUMBER "1" at 17427.5,12952 h35 r270; PIN_NUMBER "2" at 17312.5,12952 h35 r90; ASSEMBLY_TOP "2.2uH" at 17504,13022 h40 r180; ASSEMBLY_TOP "X" at 17459,13022 h40 r180; ASSEMBLY_TOP "X" at 17409,13022 h40 r180
L19: PIN_NUMBER "2" at 15734,13682 h40 r90; PIN_NUMBER "1" at 15734,13758 h40 r90; SYMB_DIM "0" at 15770,13915 h40 r90; SYMB_DIM "0" at 15915,13740 h40 r90; SYMB_DIM "L805-35X60" at 15530,13920 h40 r90; SYMB_DIM "PAD 35X60OV" at 16015,13920 h40 r90; ASSEMBLY_BOTTOM "X" at 15775,13675 h40 r90; ASSEMBLY_BOTTOM "X" at 15775,13710 h40 r90; ASSEMBLY_BOTTOM "BLM21PG221SN1D" at 15775,13745 h40 r90
L20: PIN_NUMBER "1" at 15834,13758 h40 r90; PIN_NUMBER "2" at 15834,13682 h40 r90; SYMB_DIM "0" at 15870,13915 h40 r90; SYMB_DIM "0" at 16015,13740 h40 r90; SYMB_DIM "L805-35X60" at 15630,13920 h40 r90; SYMB_DIM "PAD 35X60OV" at 16115,13920 h40 r90; ASSEMBLY_BOTTOM "X" at 15875,13675 h40 r90; ASSEMBLY_BOTTOM "X" at 15875,13710 h40 r90; ASSEMBLY_BOTTOM "BLM21PG221SN1D" at 15875,13745 h40 r90
L21: PIN_NUMBER "2" at 15721,14475 h40; PIN_NUMBER "1" at 15797,14475 h40; SYMB_DIM "0" at 15970,14455 h40; SYMB_DIM "0" at 15795,14310 h40; SYMB_DIM "L805-35X60" at 15975,14695 h40; SYMB_DIM "PAD 35X60OV" at 15975,14210 h40; ASSEMBLY_BOTTOM "X" at 15730,14450 h40; ASSEMBLY_BOTTOM "X" at 15765,14450 h40; ASSEMBLY_BOTTOM "BLM21PG221SN1D" at 15800,14450 h40
L22: PIN_NUMBER "2" at 15709,14038 h40 r270; PIN_NUMBER "1" at 15709,13962 h40 r270; SYMB_DIM "0" at 15705,13805 h40 r270; SYMB_DIM "0" at 15560,13980 h40 r270; SYMB_DIM "L805-35X60" at 15945,13800 h40 r270; SYMB_DIM "PAD 35X60OV" at 15460,13800 h40 r270; ASSEMBLY_BOTTOM "X" at 15700,14045 h40 r270; ASSEMBLY_BOTTOM "X" at 15700,14010 h40 r270; ASSEMBLY_BOTTOM "BLM21PG221SN1D" at 15700,13975 h40 r270
L23: PIN_NUMBER "1" at 15809,13962 h40 r270; PIN_NUMBER "2" at 15809,14038 h40 r270; SYMB_DIM "0" at 15805,13805 h40 r270; SYMB_DIM "0" at 15660,13980 h40 r270; SYMB_DIM "L805-35X60" at 16045,13800 h40 r270; SYMB_DIM "PAD 35X60OV" at 15560,13800 h40 r270; ASSEMBLY_BOTTOM "X" at 15800,14045 h40 r270; ASSEMBLY_BOTTOM "X" at 15800,14010 h40 r270; ASSEMBLY_BOTTOM "BLM21PG221SN1D" at 15800,13975 h40 r270
L24: PIN_NUMBER "2" at 11679,13340 h40; PIN_NUMBER "1" at 11799,13340 h40; ASSEMBLY_BOTTOM "X" at 11730,13345 h40; ASSEMBLY_BOTTOM "X" at 11760,13340 h40; ASSEMBLY_BOTTOM "BLMG1P500SPT" at 11800,13340 h40
L25: PIN_NUMBER "2" at 11679,13250 h40; PIN_NUMBER "1" at 11799,13250 h40; ASSEMBLY_BOTTOM "X" at 11730,13255 h40; ASSEMBLY_BOTTOM "X" at 11760,13250 h40; ASSEMBLY_BOTTOM "BLMG1P500SPT" at 11800,13250 h40
L503: PIN_NUMBER "1" at 17661,11085 h40; PIN_NUMBER "2" at 17737,11085 h40; ASSEMBLY_TOP "X" at 17760,11060 h40; ASSEMBLY_TOP "X" at 17725,11060 h40; ASSEMBLY_TOP "BLM21P221SN" at 17690,11060 h40; SYMB_DIM "0" at 17520,11065 h40; SYMB_DIM "0" at 17695,10920 h40; SYMB_DIM "L805-35X60" at 17515,11305 h40; SYMB_DIM "PAD 35X60OV" at 17515,10820 h40
L504: PIN_NUMBER "2" at 17341,11670 h40 r180; PIN_NUMBER "1" at 17417,11670 h40 r180; ASSEMBLY_TOP "X" at 17350,11695 h40 r180; ASSEMBLY_TOP "X" at 17385,11695 h40 r180; ASSEMBLY_TOP "BLM21P221SN" at 17420,11695 h40 r180; SYMB_DIM "0" at 17590,11690 h40 r180; SYMB_DIM "0" at 17415,11835 h40 r180; SYMB_DIM "L805-35X60" at 17595,11450 h40 r180; SYMB_DIM "PAD 35X60OV" at 17595,11935 h40 r180
L505: PIN_NUMBER "2" at 18122,11475 h40 r180; PIN_NUMBER "1" at 18046,11475 h40 r180; SYMB_DIM "0" at 17905,11495 h40 r180; SYMB_DIM "0" at 18080,11640 h40 r180; SYMB_DIM "L805-35X60" at 17900,11255 h40 r180; SYMB_DIM "PAD 35X60OV" at 17900,11740 h40 r180; ASSEMBLY_BOTTOM "X" at 18145,11500 h40 r180; ASSEMBLY_BOTTOM "X" at 18110,11500 h40 r180; ASSEMBLY_BOTTOM "BLM21P221SN" at 18075,11500 h40 r180
L507: PIN_NUMBER "4" at 17686,11264 h40; PIN_NUMBER "3" at 17752,11264 h40; PIN_NUMBER "2" at 17752,11296 h40; PIN_NUMBER "1" at 17686,11296 h40; ASSEMBLY_TOP "PART#" at 17615,11165 h40; ASSEMBLY_TOP "DLW21SN900SQ2" at 17605,11165 h40; ASSEMBLY_TOP "TOL" at 17695,11160 h40; SYMB_DIM "BLM11" at 17615,11370 h40
L590: PIN_NUMBER "1" at 16109,11525 h20; PIN_NUMBER "2" at 16169,11525 h20; ASSEMBLY_TOP "X" at 16200,11525 h40; ASSEMBLY_TOP "X" at 16165,11520 h40; ASSEMBLY_TOP "30 OHM" at 16130,11520 h40
L591: PIN_NUMBER "1" at 16109,11625 h20; PIN_NUMBER "2" at 16169,11625 h20; ASSEMBLY_TOP "X" at 16200,11625 h40; ASSEMBLY_TOP "X" at 16165,11620 h40; ASSEMBLY_TOP "30 OHM" at 16130,11620 h40
L592: PIN_NUMBER "1" at 15894,11950 h20 r180; PIN_NUMBER "2" at 15954,11950 h20 r180; ASSEMBLY_BOTTOM "X" at 15985,11950 h40 r180; ASSEMBLY_BOTTOM "X" at 15950,11955 h40 r180; ASSEMBLY_BOTTOM "FERRITE CHIP" at 15915,11955 h40 r180
P1: PIN_NUMBER "1" at 17345,15250 h75; PIN_NUMBER "4" at 17021,15250 h75; PIN_NUMBER "6" at 17291,15362 h75; PIN_NUMBER "9" at 16967,15362 h75; PIN_NUMBER "5" at 16913,15250 h75; PIN_NUMBER "7" at 17183,15362 h75; PIN_NUMBER "8" at 17075,15362 h75; PIN_NUMBER "3" at 17129,15250 h75; PIN_NUMBER "2" at 17237,15250 h75; PIN_NUMBER "10" at 16607,15306 h75; PIN_NUMBER "11" at 17591,15306 h75
P2: PIN_NUMBER "25" at 15338.1,11470 h15 r90; PIN_NUMBER "26" at 15405,11470 h15 r90; PIN_NUMBER "3" at 15574.4,11470 h15 r90; PIN_NUMBER "21" at 15535,11470 h15 r90; PIN_NUMBER "18" at 15306.6,11470 h15 r90; PIN_NUMBER "6" at 15279.1,11470 h15 r90; PIN_NUMBER "28" at 14937.5,10762.7 h15; PIN_NUMBER "27" at 16051.7,10762.7 h15; PIN_NUMBER "5" at 15377.6,11470 h15 r90; PIN_NUMBER "20" at 15503.5,11470 h15 r90; PIN_NUMBER "2" at 15672.8,11470 h15 r90; PIN_NUMBER "17" at 15239.7,11470 h15 r90; PIN_NUMBER "13" at 15224.9,10783.7 h15; PIN_NUMBER "12" at 15323.3,10783.7 h15; PIN_NUMBER "11" at 15618.6,10783.7 h15; PIN_NUMBER "10" at 15717,10783.7 h15; PIN_NUMBER "8" at 15116.7,11470 h15 r90; PIN_NUMBER "23" at 15633.4,11470 h15 r90; PIN_NUMBER "22" at 15601.9,11470 h15 r90; PIN_NUMBER "7" at 15183.7,11470 h15 r90; PIN_NUMBER "4" at 15476,11470 h15 r90; PIN_NUMBER "19" at 15436.5,11470 h15 r90; PIN_NUMBER "15" at 15059.6,11470 h15 r90; PIN_NUMBER "14" at 15012.3,11470 h15 r90; PIN_NUMBER "1" at 15771.3,11470 h15 r90; PIN_NUMBER "16" at 15208.4,11470 h15 r90; PIN_NUMBER "9" at 15869.7,11470 h15 r90; PIN_NUMBER "24" at 15144.2,11470 h15 r90
P3: PIN_NUMBER "5" at 13736,15549.5 h35; PIN_NUMBER "6" at 13736,15274.5 h35; PIN_NUMBER "1" at 13591,15593.5 h35; PIN_NUMBER "4" at 13766,15068.5 h35; PIN_NUMBER "2" at 13599,15226.5 h35; PIN_NUMBER "3" at 13881,15518.5 h35
P4: PIN_NUMBER "5" at 13236,15549.5 h35; PIN_NUMBER "6" at 13236,15274.5 h35; PIN_NUMBER "1" at 13091,15593.5 h35; PIN_NUMBER "4" at 13266,15068.5 h35; PIN_NUMBER "2" at 13099,15226.5 h35; PIN_NUMBER "3" at 13381,15518.5 h35
P5: PIN_NUMBER "5" at 12736,15549.5 h35; PIN_NUMBER "6" at 12736,15274.5 h35; PIN_NUMBER "4" at 12766,15068.5 h35; PIN_NUMBER "1" at 12591,15593.5 h35; PIN_NUMBER "2" at 12599,15226.5 h35; PIN_NUMBER "3" at 12881,15518.5 h35
P6: PIN_NUMBER "5" at 11836,15549.5 h35; PIN_NUMBER "6" at 11836,15274.5 h35; PIN_NUMBER "4" at 11866,15068.5 h35; PIN_NUMBER "1" at 11691,15593.5 h35; PIN_NUMBER "3" at 11981,15518.5 h35; PIN_NUMBER "2" at 11699,15226.5 h35
P8: PIN_NUMBER "5" at 14945,15400 h40 r180; PIN_NUMBER "6" at 14473,15380 h40 r180; PIN_NUMBER "4" at 14649,15290 h40 r180; PIN_NUMBER "3" at 14689,15210 h40 r180; PIN_NUMBER "2" at 14729,15290 h40 r180; PIN_NUMBER "1" at 14769,15210 h40 r180
P9: PIN_NUMBER "MH1" at 16307,15235 h40 r180; PIN_NUMBER "MH2" at 15857,15215 h40 r180; PIN_NUMBER "7" at 15989,14985 h40 r180; PIN_NUMBER "8" at 15939,14865 h40 r180; PIN_NUMBER "SH2" at 15777,15115 h40 r180; PIN_NUMBER "SH1" at 16387,15095 h40 r180; PIN_NUMBER "5" at 16089,14985 h40 r180; PIN_NUMBER "4" at 16139,14865 h40 r180; PIN_NUMBER "3" at 16189,14985 h40 r180; PIN_NUMBER "10" at 16259,15410 h40 r180; PIN_NUMBER "2" at 16239,14865 h40 r180; PIN_NUMBER "1" at 16289,14985 h40 r180; PIN_NUMBER "6" at 16039,14865 h40 r180; PIN_NUMBER "12" at 15837,15410 h40 r180; PIN_NUMBER "11" at 15937,15410 h40 r180; PIN_NUMBER "9" at 16375,15410 h40 r180
P10: PIN_NUMBER "MH1" at 15577,15235 h40 r180; PIN_NUMBER "MH2" at 15127,15215 h40 r180; PIN_NUMBER "7" at 15259,14985 h40 r180; PIN_NUMBER "8" at 15209,14865 h40 r180; PIN_NUMBER "SH2" at 15047,15115 h40 r180; PIN_NUMBER "SH1" at 15657,15095 h40 r180; PIN_NUMBER "5" at 15359,14985 h40 r180; PIN_NUMBER "4" at 15409,14865 h40 r180; PIN_NUMBER "12" at 15107,15410 h40 r180; PIN_NUMBER "1" at 15559,14985 h40 r180; PIN_NUMBER "2" at 15509,14865 h40 r180; PIN_NUMBER "3" at 15459,14985 h40 r180; PIN_NUMBER "10" at 15529,15410 h40 r180; PIN_NUMBER "6" at 15309,14865 h40 r180; PIN_NUMBER "11" at 15207,15410 h40 r180; PIN_NUMBER "9" at 15645,15410 h40 r180